# KiCad board led_mapper_850.kicad_pcb
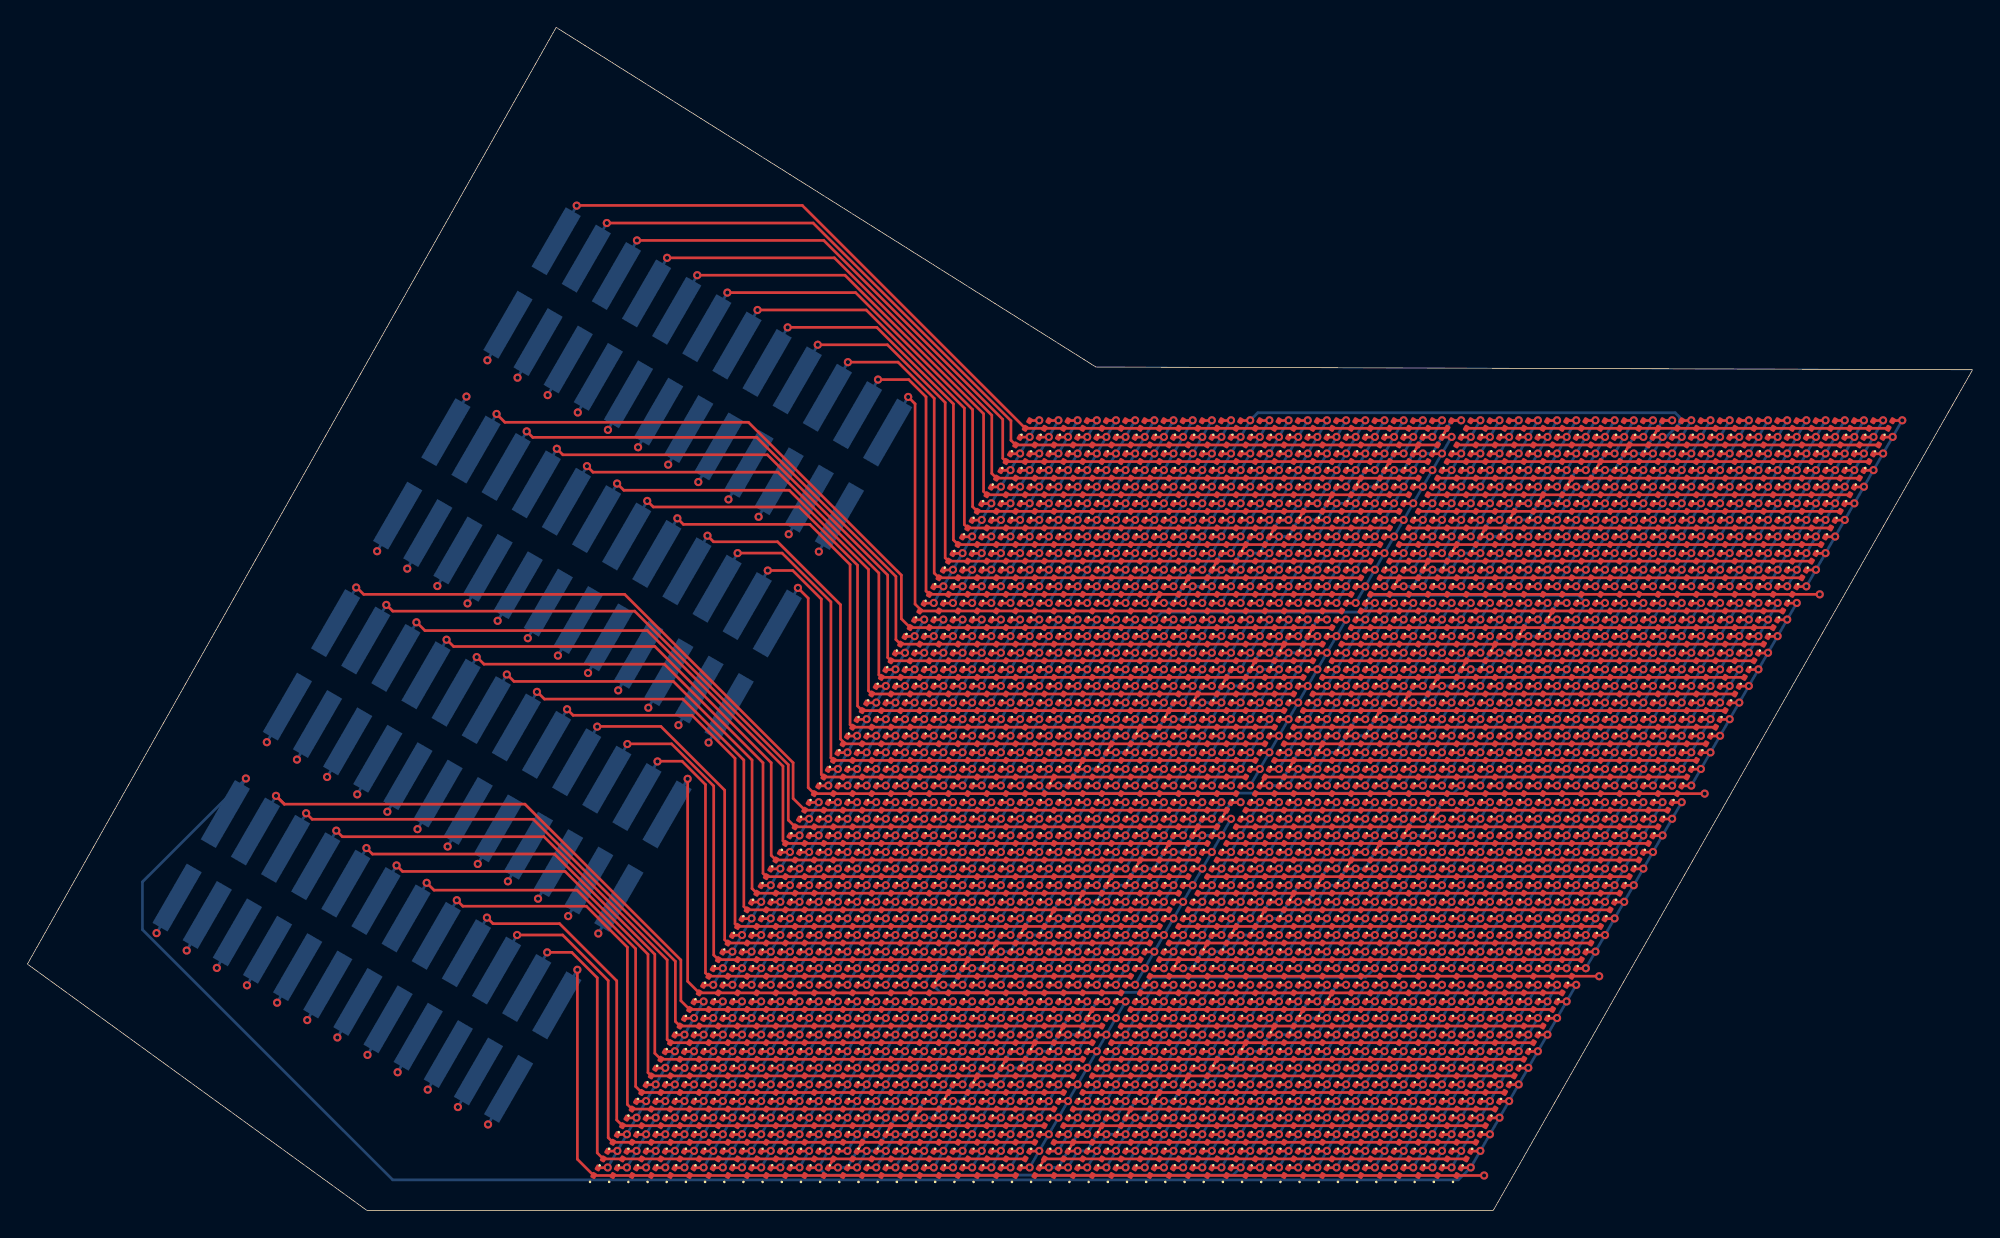
[diagram p0: board, top side]
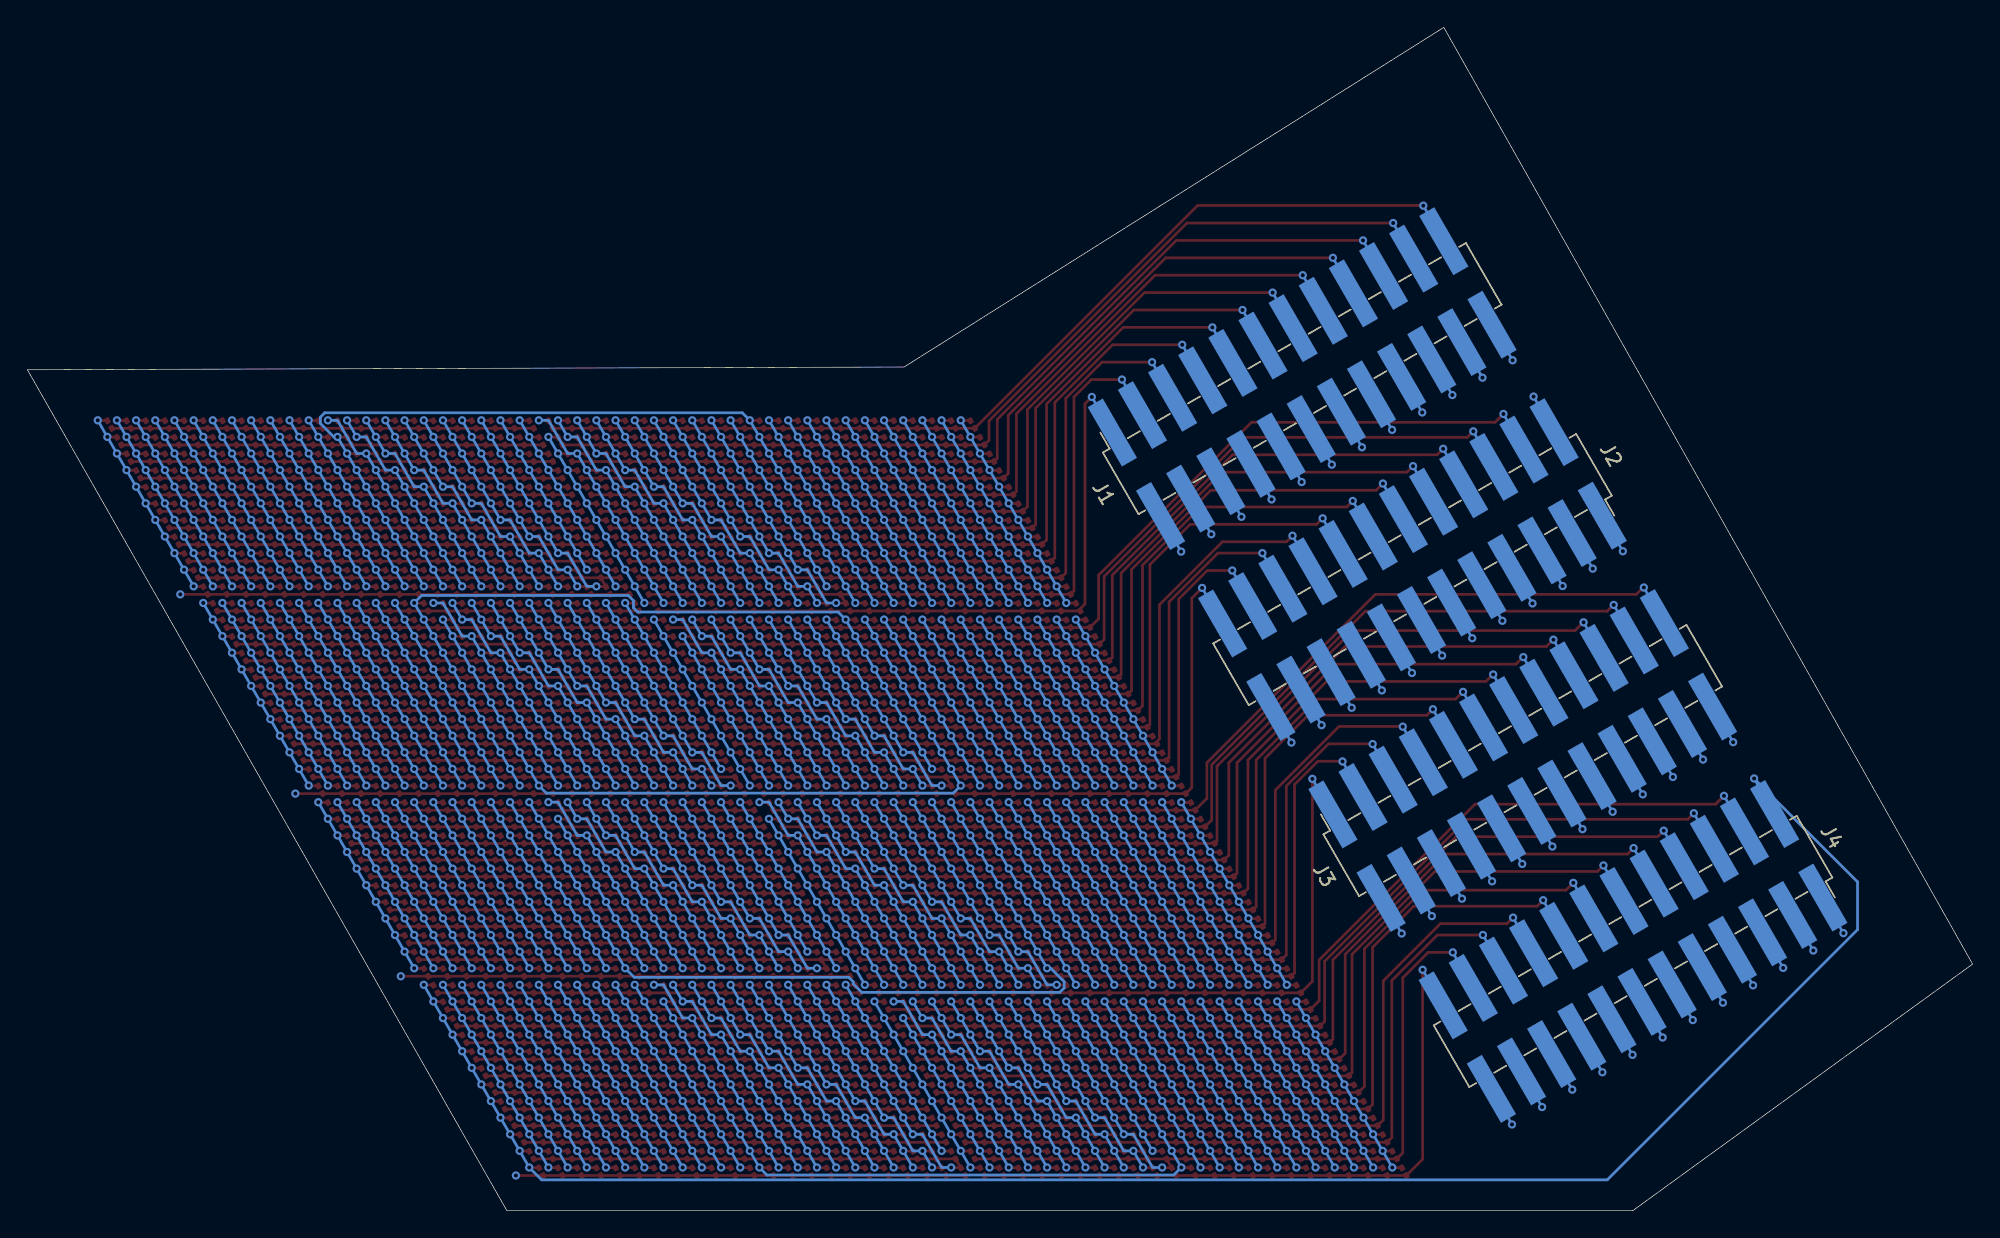
[diagram p1: board, bottom side, seen from below]

Outline 142 x 86.4 mm; copper layers: Top, In1.Cu, In2.Cu, Bottom. Coordinates in mm from the lower left corner of the outline.
Outline path: 24.8,0 107,0 142,61.4 78,61.6 38.6,86.4 0,18 closed
Stack: Top 0.035mm / dielectric 0.1mm FR4 er 4.5 / In1.Cu 0.035mm / dielectric 1.24mm FR4 er 4.5 / In2.Cu 0.035mm / dielectric 0.1mm FR4 er 4.5 / Bottom 0.035mm

## Placement (name value [footprint] x y rotation side)
D1  LED  [LED_0201_0603Metric]  73 57.4 60 top
D2  LED  [LED_0201_0603Metric]  74.4 57.4 60 top
D3  LED  [LED_0201_0603Metric]  75.8 57.4 60 top
D4  LED  [LED_0201_0603Metric]  77.2 57.4 60 top
D5  LED  [LED_0201_0603Metric]  78.6 57.4 60 top
D6  LED  [LED_0201_0603Metric]  80 57.4 60 top
D7  LED  [LED_0201_0603Metric]  81.4 57.4 60 top
D8  LED  [LED_0201_0603Metric]  82.8 57.4 60 top
D9  LED  [LED_0201_0603Metric]  84.2 57.4 60 top
D10  LED  [LED_0201_0603Metric]  85.6 57.4 60 top
D11  LED  [LED_0201_0603Metric]  87 57.4 60 top
D12  LED  [LED_0201_0603Metric]  88.4 57.4 60 top
D13  LED  [LED_0201_0603Metric]  89.8 57.4 60 top
D14  LED  [LED_0201_0603Metric]  91.2 57.4 60 top
D15  LED  [LED_0201_0603Metric]  92.6 57.4 60 top
D16  LED  [LED_0201_0603Metric]  94 57.4 60 top
D17  LED  [LED_0201_0603Metric]  95.4 57.4 60 top
D18  LED  [LED_0201_0603Metric]  96.8 57.4 60 top
D19  LED  [LED_0201_0603Metric]  98.2 57.4 60 top
D20  LED  [LED_0201_0603Metric]  99.6 57.4 60 top
D21  LED  [LED_0201_0603Metric]  101 57.4 60 top
D22  LED  [LED_0201_0603Metric]  102.4 57.4 60 top
D23  LED  [LED_0201_0603Metric]  103.8 57.4 60 top
D24  LED  [LED_0201_0603Metric]  105.2 57.4 60 top
D25  LED  [LED_0201_0603Metric]  106.6 57.4 60 top
D26  LED  [LED_0201_0603Metric]  108 57.4 60 top
D27  LED  [LED_0201_0603Metric]  109.4 57.4 60 top
D28  LED  [LED_0201_0603Metric]  110.8 57.4 60 top
D29  LED  [LED_0201_0603Metric]  112.2 57.4 60 top
D30  LED  [LED_0201_0603Metric]  113.6 57.4 60 top
D31  LED  [LED_0201_0603Metric]  115 57.4 60 top
D32  LED  [LED_0201_0603Metric]  116.4 57.4 60 top
D33  LED  [LED_0201_0603Metric]  117.8 57.4 60 top
D34  LED  [LED_0201_0603Metric]  119.2 57.4 60 top
D35  LED  [LED_0201_0603Metric]  120.6 57.4 60 top
D36  LED  [LED_0201_0603Metric]  122 57.4 60 top
D37  LED  [LED_0201_0603Metric]  123.4 57.4 60 top
D38  LED  [LED_0201_0603Metric]  124.8 57.4 60 top
D39  LED  [LED_0201_0603Metric]  126.2 57.4 60 top
D40  LED  [LED_0201_0603Metric]  127.6 57.4 60 top
D41  LED  [LED_0201_0603Metric]  129 57.4 60 top
D42  LED  [LED_0201_0603Metric]  130.4 57.4 60 top
D43  LED  [LED_0201_0603Metric]  131.8 57.4 60 top
D44  LED  [LED_0201_0603Metric]  133.2 57.4 60 top
D45  LED  [LED_0201_0603Metric]  134.6 57.4 60 top
D46  LED  [LED_0201_0603Metric]  136 57.4 60 top
D47  LED  [LED_0201_0603Metric]  72.3 56.19 60 top
D48  LED  [LED_0201_0603Metric]  73.7 56.19 60 top
D49  LED  [LED_0201_0603Metric]  75.1 56.19 60 top
D50  LED  [LED_0201_0603Metric]  76.5 56.19 60 top
D51  LED  [LED_0201_0603Metric]  77.9 56.19 60 top
D52  LED  [LED_0201_0603Metric]  79.3 56.19 60 top
D53  LED  [LED_0201_0603Metric]  80.7 56.19 60 top
D54  LED  [LED_0201_0603Metric]  82.1 56.19 60 top
D55  LED  [LED_0201_0603Metric]  83.5 56.19 60 top
D56  LED  [LED_0201_0603Metric]  84.9 56.19 60 top
D57  LED  [LED_0201_0603Metric]  86.3 56.19 60 top
D58  LED  [LED_0201_0603Metric]  87.7 56.19 60 top
D59  LED  [LED_0201_0603Metric]  89.1 56.19 60 top
D60  LED  [LED_0201_0603Metric]  90.5 56.19 60 top
D61  LED  [LED_0201_0603Metric]  91.9 56.19 60 top
D62  LED  [LED_0201_0603Metric]  93.3 56.19 60 top
D63  LED  [LED_0201_0603Metric]  94.7 56.19 60 top
D64  LED  [LED_0201_0603Metric]  96.1 56.19 60 top
D65  LED  [LED_0201_0603Metric]  97.5 56.19 60 top
D66  LED  [LED_0201_0603Metric]  98.9 56.19 60 top
D67  LED  [LED_0201_0603Metric]  100.3 56.19 60 top
D68  LED  [LED_0201_0603Metric]  101.7 56.19 60 top
D69  LED  [LED_0201_0603Metric]  103.1 56.19 60 top
D70  LED  [LED_0201_0603Metric]  104.5 56.19 60 top
D71  LED  [LED_0201_0603Metric]  105.9 56.19 60 top
D72  LED  [LED_0201_0603Metric]  107.3 56.19 60 top
D73  LED  [LED_0201_0603Metric]  108.7 56.19 60 top
D74  LED  [LED_0201_0603Metric]  110.1 56.19 60 top
D75  LED  [LED_0201_0603Metric]  111.5 56.19 60 top
D76  LED  [LED_0201_0603Metric]  112.9 56.19 60 top
D77  LED  [LED_0201_0603Metric]  114.3 56.19 60 top
D78  LED  [LED_0201_0603Metric]  115.7 56.19 60 top
D79  LED  [LED_0201_0603Metric]  117.1 56.19 60 top
D80  LED  [LED_0201_0603Metric]  118.5 56.19 60 top
D81  LED  [LED_0201_0603Metric]  119.9 56.19 60 top
D82  LED  [LED_0201_0603Metric]  121.3 56.19 60 top
D83  LED  [LED_0201_0603Metric]  122.7 56.19 60 top
D84  LED  [LED_0201_0603Metric]  124.1 56.19 60 top
D85  LED  [LED_0201_0603Metric]  125.5 56.19 60 top
D86  LED  [LED_0201_0603Metric]  126.9 56.19 60 top
D87  LED  [LED_0201_0603Metric]  128.3 56.19 60 top
D88  LED  [LED_0201_0603Metric]  129.7 56.19 60 top
D89  LED  [LED_0201_0603Metric]  131.1 56.19 60 top
D90  LED  [LED_0201_0603Metric]  132.5 56.19 60 top
D91  LED  [LED_0201_0603Metric]  133.9 56.19 60 top
D92  LED  [LED_0201_0603Metric]  135.3 56.19 60 top
D93  LED  [LED_0201_0603Metric]  71.6 54.98 60 top
D94  LED  [LED_0201_0603Metric]  73 54.98 60 top
D95  LED  [LED_0201_0603Metric]  74.4 54.98 60 top
D96  LED  [LED_0201_0603Metric]  75.8 54.98 60 top
D97  LED  [LED_0201_0603Metric]  77.2 54.98 60 top
D98  LED  [LED_0201_0603Metric]  78.6 54.98 60 top
D99  LED  [LED_0201_0603Metric]  80 54.98 60 top
D100  LED  [LED_0201_0603Metric]  81.4 54.98 60 top
D101  LED  [LED_0201_0603Metric]  82.8 54.98 60 top
D102  LED  [LED_0201_0603Metric]  84.2 54.98 60 top
D103  LED  [LED_0201_0603Metric]  85.6 54.98 60 top
D104  LED  [LED_0201_0603Metric]  87 54.98 60 top
D105  LED  [LED_0201_0603Metric]  88.4 54.98 60 top
D106  LED  [LED_0201_0603Metric]  89.8 54.98 60 top
D107  LED  [LED_0201_0603Metric]  91.2 54.98 60 top
D108  LED  [LED_0201_0603Metric]  92.6 54.98 60 top
D109  LED  [LED_0201_0603Metric]  94 54.98 60 top
D110  LED  [LED_0201_0603Metric]  95.4 54.98 60 top
D111  LED  [LED_0201_0603Metric]  96.8 54.98 60 top
D112  LED  [LED_0201_0603Metric]  98.2 54.98 60 top
D113  LED  [LED_0201_0603Metric]  99.6 54.98 60 top
D114  LED  [LED_0201_0603Metric]  101 54.98 60 top
D115  LED  [LED_0201_0603Metric]  102.4 54.98 60 top
D116  LED  [LED_0201_0603Metric]  103.8 54.98 60 top
D117  LED  [LED_0201_0603Metric]  105.2 54.98 60 top
D118  LED  [LED_0201_0603Metric]  106.6 54.98 60 top
D119  LED  [LED_0201_0603Metric]  108 54.98 60 top
D120  LED  [LED_0201_0603Metric]  109.4 54.98 60 top
D121  LED  [LED_0201_0603Metric]  110.8 54.98 60 top
D122  LED  [LED_0201_0603Metric]  112.2 54.98 60 top
D123  LED  [LED_0201_0603Metric]  113.6 54.98 60 top
D124  LED  [LED_0201_0603Metric]  115 54.98 60 top
D125  LED  [LED_0201_0603Metric]  116.4 54.98 60 top
D126  LED  [LED_0201_0603Metric]  117.8 54.98 60 top
D127  LED  [LED_0201_0603Metric]  119.2 54.98 60 top
D128  LED  [LED_0201_0603Metric]  120.6 54.98 60 top
D129  LED  [LED_0201_0603Metric]  122 54.98 60 top
D130  LED  [LED_0201_0603Metric]  123.4 54.98 60 top
D131  LED  [LED_0201_0603Metric]  124.8 54.98 60 top
D132  LED  [LED_0201_0603Metric]  126.2 54.98 60 top
D133  LED  [LED_0201_0603Metric]  127.6 54.98 60 top
D134  LED  [LED_0201_0603Metric]  129 54.98 60 top
D135  LED  [LED_0201_0603Metric]  130.4 54.98 60 top
D136  LED  [LED_0201_0603Metric]  131.8 54.98 60 top
D137  LED  [LED_0201_0603Metric]  133.2 54.98 60 top
D138  LED  [LED_0201_0603Metric]  134.6 54.98 60 top
D139  LED  [LED_0201_0603Metric]  70.9 53.76 60 top
D140  LED  [LED_0201_0603Metric]  72.3 53.76 60 top
D141  LED  [LED_0201_0603Metric]  73.7 53.76 60 top
D142  LED  [LED_0201_0603Metric]  75.1 53.76 60 top
D143  LED  [LED_0201_0603Metric]  76.5 53.76 60 top
D144  LED  [LED_0201_0603Metric]  77.9 53.76 60 top
D145  LED  [LED_0201_0603Metric]  79.3 53.76 60 top
D146  LED  [LED_0201_0603Metric]  80.7 53.76 60 top
D147  LED  [LED_0201_0603Metric]  82.1 53.76 60 top
D148  LED  [LED_0201_0603Metric]  83.5 53.76 60 top
D149  LED  [LED_0201_0603Metric]  84.9 53.76 60 top
D150  LED  [LED_0201_0603Metric]  86.3 53.76 60 top
D151  LED  [LED_0201_0603Metric]  87.7 53.76 60 top
D152  LED  [LED_0201_0603Metric]  89.1 53.76 60 top
D153  LED  [LED_0201_0603Metric]  90.5 53.76 60 top
D154  LED  [LED_0201_0603Metric]  91.9 53.76 60 top
D155  LED  [LED_0201_0603Metric]  93.3 53.76 60 top
D156  LED  [LED_0201_0603Metric]  94.7 53.76 60 top
D157  LED  [LED_0201_0603Metric]  96.1 53.76 60 top
D158  LED  [LED_0201_0603Metric]  97.5 53.76 60 top
D159  LED  [LED_0201_0603Metric]  98.9 53.76 60 top
D160  LED  [LED_0201_0603Metric]  100.3 53.76 60 top
D161  LED  [LED_0201_0603Metric]  101.7 53.76 60 top
D162  LED  [LED_0201_0603Metric]  103.1 53.76 60 top
D163  LED  [LED_0201_0603Metric]  104.5 53.76 60 top
D164  LED  [LED_0201_0603Metric]  105.9 53.76 60 top
D165  LED  [LED_0201_0603Metric]  107.3 53.76 60 top
D166  LED  [LED_0201_0603Metric]  108.7 53.76 60 top
D167  LED  [LED_0201_0603Metric]  110.1 53.76 60 top
D168  LED  [LED_0201_0603Metric]  111.5 53.76 60 top
D169  LED  [LED_0201_0603Metric]  112.9 53.76 60 top
D170  LED  [LED_0201_0603Metric]  114.3 53.76 60 top
D171  LED  [LED_0201_0603Metric]  115.7 53.76 60 top
D172  LED  [LED_0201_0603Metric]  117.1 53.76 60 top
D173  LED  [LED_0201_0603Metric]  118.5 53.76 60 top
D174  LED  [LED_0201_0603Metric]  119.9 53.76 60 top
D175  LED  [LED_0201_0603Metric]  121.3 53.76 60 top
D176  LED  [LED_0201_0603Metric]  122.7 53.76 60 top
D177  LED  [LED_0201_0603Metric]  124.1 53.76 60 top
D178  LED  [LED_0201_0603Metric]  125.5 53.76 60 top
D179  LED  [LED_0201_0603Metric]  126.9 53.76 60 top
D180  LED  [LED_0201_0603Metric]  128.3 53.76 60 top
D181  LED  [LED_0201_0603Metric]  129.7 53.76 60 top
D182  LED  [LED_0201_0603Metric]  131.1 53.76 60 top
D183  LED  [LED_0201_0603Metric]  132.5 53.76 60 top
D184  LED  [LED_0201_0603Metric]  133.9 53.76 60 top
D185  LED  [LED_0201_0603Metric]  70.2 52.55 60 top
D186  LED  [LED_0201_0603Metric]  71.6 52.55 60 top
D187  LED  [LED_0201_0603Metric]  73 52.55 60 top
D188  LED  [LED_0201_0603Metric]  74.4 52.55 60 top
D189  LED  [LED_0201_0603Metric]  75.8 52.55 60 top
D190  LED  [LED_0201_0603Metric]  77.2 52.55 60 top
D191  LED  [LED_0201_0603Metric]  78.6 52.55 60 top
D192  LED  [LED_0201_0603Metric]  80 52.55 60 top
D193  LED  [LED_0201_0603Metric]  81.4 52.55 60 top
D194  LED  [LED_0201_0603Metric]  82.8 52.55 60 top
D195  LED  [LED_0201_0603Metric]  84.2 52.55 60 top
D196  LED  [LED_0201_0603Metric]  85.6 52.55 60 top
D197  LED  [LED_0201_0603Metric]  87 52.55 60 top
D198  LED  [LED_0201_0603Metric]  88.4 52.55 60 top
D199  LED  [LED_0201_0603Metric]  89.8 52.55 60 top
D200  LED  [LED_0201_0603Metric]  91.2 52.55 60 top
D201  LED  [LED_0201_0603Metric]  92.6 52.55 60 top
D202  LED  [LED_0201_0603Metric]  94 52.55 60 top
D203  LED  [LED_0201_0603Metric]  95.4 52.55 60 top
D204  LED  [LED_0201_0603Metric]  96.8 52.55 60 top
D205  LED  [LED_0201_0603Metric]  98.2 52.55 60 top
D206  LED  [LED_0201_0603Metric]  99.6 52.55 60 top
D207  LED  [LED_0201_0603Metric]  101 52.55 60 top
D208  LED  [LED_0201_0603Metric]  102.4 52.55 60 top
D209  LED  [LED_0201_0603Metric]  103.8 52.55 60 top
D210  LED  [LED_0201_0603Metric]  105.2 52.55 60 top
D211  LED  [LED_0201_0603Metric]  106.6 52.55 60 top
D212  LED  [LED_0201_0603Metric]  108 52.55 60 top
D213  LED  [LED_0201_0603Metric]  109.4 52.55 60 top
D214  LED  [LED_0201_0603Metric]  110.8 52.55 60 top
D215  LED  [LED_0201_0603Metric]  112.2 52.55 60 top
D216  LED  [LED_0201_0603Metric]  113.6 52.55 60 top
D217  LED  [LED_0201_0603Metric]  115 52.55 60 top
D218  LED  [LED_0201_0603Metric]  116.4 52.55 60 top
D219  LED  [LED_0201_0603Metric]  117.8 52.55 60 top
D220  LED  [LED_0201_0603Metric]  119.2 52.55 60 top
D221  LED  [LED_0201_0603Metric]  120.6 52.55 60 top
D222  LED  [LED_0201_0603Metric]  122 52.55 60 top
D223  LED  [LED_0201_0603Metric]  123.4 52.55 60 top
D224  LED  [LED_0201_0603Metric]  124.8 52.55 60 top
D225  LED  [LED_0201_0603Metric]  126.2 52.55 60 top
D226  LED  [LED_0201_0603Metric]  127.6 52.55 60 top
D227  LED  [LED_0201_0603Metric]  129 52.55 60 top
D228  LED  [LED_0201_0603Metric]  130.4 52.55 60 top
D229  LED  [LED_0201_0603Metric]  131.8 52.55 60 top
D230  LED  [LED_0201_0603Metric]  133.2 52.55 60 top
D231  LED  [LED_0201_0603Metric]  69.5 51.34 60 top
D232  LED  [LED_0201_0603Metric]  70.9 51.34 60 top
D233  LED  [LED_0201_0603Metric]  72.3 51.34 60 top
D234  LED  [LED_0201_0603Metric]  73.7 51.34 60 top
D235  LED  [LED_0201_0603Metric]  75.1 51.34 60 top
D236  LED  [LED_0201_0603Metric]  76.5 51.34 60 top
D237  LED  [LED_0201_0603Metric]  77.9 51.34 60 top
D238  LED  [LED_0201_0603Metric]  79.3 51.34 60 top
D239  LED  [LED_0201_0603Metric]  80.7 51.34 60 top
D240  LED  [LED_0201_0603Metric]  82.1 51.34 60 top
D241  LED  [LED_0201_0603Metric]  83.5 51.34 60 top
D242  LED  [LED_0201_0603Metric]  84.9 51.34 60 top
D243  LED  [LED_0201_0603Metric]  86.3 51.34 60 top
D244  LED  [LED_0201_0603Metric]  87.7 51.34 60 top
D245  LED  [LED_0201_0603Metric]  89.1 51.34 60 top
D246  LED  [LED_0201_0603Metric]  90.5 51.34 60 top
D247  LED  [LED_0201_0603Metric]  91.9 51.34 60 top
D248  LED  [LED_0201_0603Metric]  93.3 51.34 60 top
D249  LED  [LED_0201_0603Metric]  94.7 51.34 60 top
D250  LED  [LED_0201_0603Metric]  96.1 51.34 60 top
D251  LED  [LED_0201_0603Metric]  97.5 51.34 60 top
D252  LED  [LED_0201_0603Metric]  98.9 51.34 60 top
D253  LED  [LED_0201_0603Metric]  100.3 51.34 60 top
D254  LED  [LED_0201_0603Metric]  101.7 51.34 60 top
D255  LED  [LED_0201_0603Metric]  103.1 51.34 60 top
D256  LED  [LED_0201_0603Metric]  104.5 51.34 60 top
D257  LED  [LED_0201_0603Metric]  105.9 51.34 60 top
D258  LED  [LED_0201_0603Metric]  107.3 51.34 60 top
D259  LED  [LED_0201_0603Metric]  108.7 51.34 60 top
D260  LED  [LED_0201_0603Metric]  110.1 51.34 60 top
D261  LED  [LED_0201_0603Metric]  111.5 51.34 60 top
D262  LED  [LED_0201_0603Metric]  112.9 51.34 60 top
D263  LED  [LED_0201_0603Metric]  114.3 51.34 60 top
D264  LED  [LED_0201_0603Metric]  115.7 51.34 60 top
D265  LED  [LED_0201_0603Metric]  117.1 51.34 60 top
D266  LED  [LED_0201_0603Metric]  118.5 51.34 60 top
D267  LED  [LED_0201_0603Metric]  119.9 51.34 60 top
D268  LED  [LED_0201_0603Metric]  121.3 51.34 60 top
D269  LED  [LED_0201_0603Metric]  122.7 51.34 60 top
D270  LED  [LED_0201_0603Metric]  124.1 51.34 60 top
D271  LED  [LED_0201_0603Metric]  125.5 51.34 60 top
D272  LED  [LED_0201_0603Metric]  126.9 51.34 60 top
D273  LED  [LED_0201_0603Metric]  128.3 51.34 60 top
D274  LED  [LED_0201_0603Metric]  129.7 51.34 60 top
D275  LED  [LED_0201_0603Metric]  131.1 51.34 60 top
D276  LED  [LED_0201_0603Metric]  132.5 51.34 60 top
D277  LED  [LED_0201_0603Metric]  68.8 50.13 60 top
D278  LED  [LED_0201_0603Metric]  70.2 50.13 60 top
D279  LED  [LED_0201_0603Metric]  71.6 50.13 60 top
D280  LED  [LED_0201_0603Metric]  73 50.13 60 top
D281  LED  [LED_0201_0603Metric]  74.4 50.13 60 top
D282  LED  [LED_0201_0603Metric]  75.8 50.13 60 top
D283  LED  [LED_0201_0603Metric]  77.2 50.13 60 top
D284  LED  [LED_0201_0603Metric]  78.6 50.13 60 top
D285  LED  [LED_0201_0603Metric]  80 50.13 60 top
D286  LED  [LED_0201_0603Metric]  81.4 50.13 60 top
D287  LED  [LED_0201_0603Metric]  82.8 50.13 60 top
D288  LED  [LED_0201_0603Metric]  84.2 50.13 60 top
D289  LED  [LED_0201_0603Metric]  85.6 50.13 60 top
D290  LED  [LED_0201_0603Metric]  87 50.13 60 top
D291  LED  [LED_0201_0603Metric]  88.4 50.13 60 top
D292  LED  [LED_0201_0603Metric]  89.8 50.13 60 top
D293  LED  [LED_0201_0603Metric]  91.2 50.13 60 top
D294  LED  [LED_0201_0603Metric]  92.6 50.13 60 top
D295  LED  [LED_0201_0603Metric]  94 50.13 60 top
D296  LED  [LED_0201_0603Metric]  95.4 50.13 60 top
D297  LED  [LED_0201_0603Metric]  96.8 50.13 60 top
D298  LED  [LED_0201_0603Metric]  98.2 50.13 60 top
D299  LED  [LED_0201_0603Metric]  99.6 50.13 60 top
D300  LED  [LED_0201_0603Metric]  101 50.13 60 top
D301  LED  [LED_0201_0603Metric]  102.4 50.13 60 top
D302  LED  [LED_0201_0603Metric]  103.8 50.13 60 top
D303  LED  [LED_0201_0603Metric]  105.2 50.13 60 top
D304  LED  [LED_0201_0603Metric]  106.6 50.13 60 top
D305  LED  [LED_0201_0603Metric]  108 50.13 60 top
D306  LED  [LED_0201_0603Metric]  109.4 50.13 60 top
D307  LED  [LED_0201_0603Metric]  110.8 50.13 60 top
D308  LED  [LED_0201_0603Metric]  112.2 50.13 60 top
D309  LED  [LED_0201_0603Metric]  113.6 50.13 60 top
D310  LED  [LED_0201_0603Metric]  115 50.13 60 top
D311  LED  [LED_0201_0603Metric]  116.4 50.13 60 top
D312  LED  [LED_0201_0603Metric]  117.8 50.13 60 top
D313  LED  [LED_0201_0603Metric]  119.2 50.13 60 top
D314  LED  [LED_0201_0603Metric]  120.6 50.13 60 top
D315  LED  [LED_0201_0603Metric]  122 50.13 60 top
D316  LED  [LED_0201_0603Metric]  123.4 50.13 60 top
D317  LED  [LED_0201_0603Metric]  124.8 50.13 60 top
D318  LED  [LED_0201_0603Metric]  126.2 50.13 60 top
D319  LED  [LED_0201_0603Metric]  127.6 50.13 60 top
D320  LED  [LED_0201_0603Metric]  129 50.13 60 top
D321  LED  [LED_0201_0603Metric]  130.4 50.13 60 top
D322  LED  [LED_0201_0603Metric]  131.8 50.13 60 top
D323  LED  [LED_0201_0603Metric]  68.1 48.91 60 top
D324  LED  [LED_0201_0603Metric]  69.5 48.91 60 top
D325  LED  [LED_0201_0603Metric]  70.9 48.91 60 top
D326  LED  [LED_0201_0603Metric]  72.3 48.91 60 top
D327  LED  [LED_0201_0603Metric]  73.7 48.91 60 top
D328  LED  [LED_0201_0603Metric]  75.1 48.91 60 top
D329  LED  [LED_0201_0603Metric]  76.5 48.91 60 top
D330  LED  [LED_0201_0603Metric]  77.9 48.91 60 top
D331  LED  [LED_0201_0603Metric]  79.3 48.91 60 top
D332  LED  [LED_0201_0603Metric]  80.7 48.91 60 top
D333  LED  [LED_0201_0603Metric]  82.1 48.91 60 top
D334  LED  [LED_0201_0603Metric]  83.5 48.91 60 top
D335  LED  [LED_0201_0603Metric]  84.9 48.91 60 top
D336  LED  [LED_0201_0603Metric]  86.3 48.91 60 top
D337  LED  [LED_0201_0603Metric]  87.7 48.91 60 top
D338  LED  [LED_0201_0603Metric]  89.1 48.91 60 top
D339  LED  [LED_0201_0603Metric]  90.5 48.91 60 top
D340  LED  [LED_0201_0603Metric]  91.9 48.91 60 top
D341  LED  [LED_0201_0603Metric]  93.3 48.91 60 top
D342  LED  [LED_0201_0603Metric]  94.7 48.91 60 top
D343  LED  [LED_0201_0603Metric]  96.1 48.91 60 top
D344  LED  [LED_0201_0603Metric]  97.5 48.91 60 top
D345  LED  [LED_0201_0603Metric]  98.9 48.91 60 top
D346  LED  [LED_0201_0603Metric]  100.3 48.91 60 top
D347  LED  [LED_0201_0603Metric]  101.7 48.91 60 top
D348  LED  [LED_0201_0603Metric]  103.1 48.91 60 top
D349  LED  [LED_0201_0603Metric]  104.5 48.91 60 top
D350  LED  [LED_0201_0603Metric]  105.9 48.91 60 top
D351  LED  [LED_0201_0603Metric]  107.3 48.91 60 top
D352  LED  [LED_0201_0603Metric]  108.7 48.91 60 top
D353  LED  [LED_0201_0603Metric]  110.1 48.91 60 top
D354  LED  [LED_0201_0603Metric]  111.5 48.91 60 top
D355  LED  [LED_0201_0603Metric]  112.9 48.91 60 top
D356  LED  [LED_0201_0603Metric]  114.3 48.91 60 top
D357  LED  [LED_0201_0603Metric]  115.7 48.91 60 top
D358  LED  [LED_0201_0603Metric]  117.1 48.91 60 top
D359  LED  [LED_0201_0603Metric]  118.5 48.91 60 top
D360  LED  [LED_0201_0603Metric]  119.9 48.91 60 top
D361  LED  [LED_0201_0603Metric]  121.3 48.91 60 top
D362  LED  [LED_0201_0603Metric]  122.7 48.91 60 top
D363  LED  [LED_0201_0603Metric]  124.1 48.91 60 top
D364  LED  [LED_0201_0603Metric]  125.5 48.91 60 top
D365  LED  [LED_0201_0603Metric]  126.9 48.91 60 top
D366  LED  [LED_0201_0603Metric]  128.3 48.91 60 top
D367  LED  [LED_0201_0603Metric]  129.7 48.91 60 top
D368  LED  [LED_0201_0603Metric]  131.1 48.91 60 top
D369  LED  [LED_0201_0603Metric]  67.4 47.7 60 top